# Altium PCB mainboard.PcbDoc (part 2 of 2) (continued)
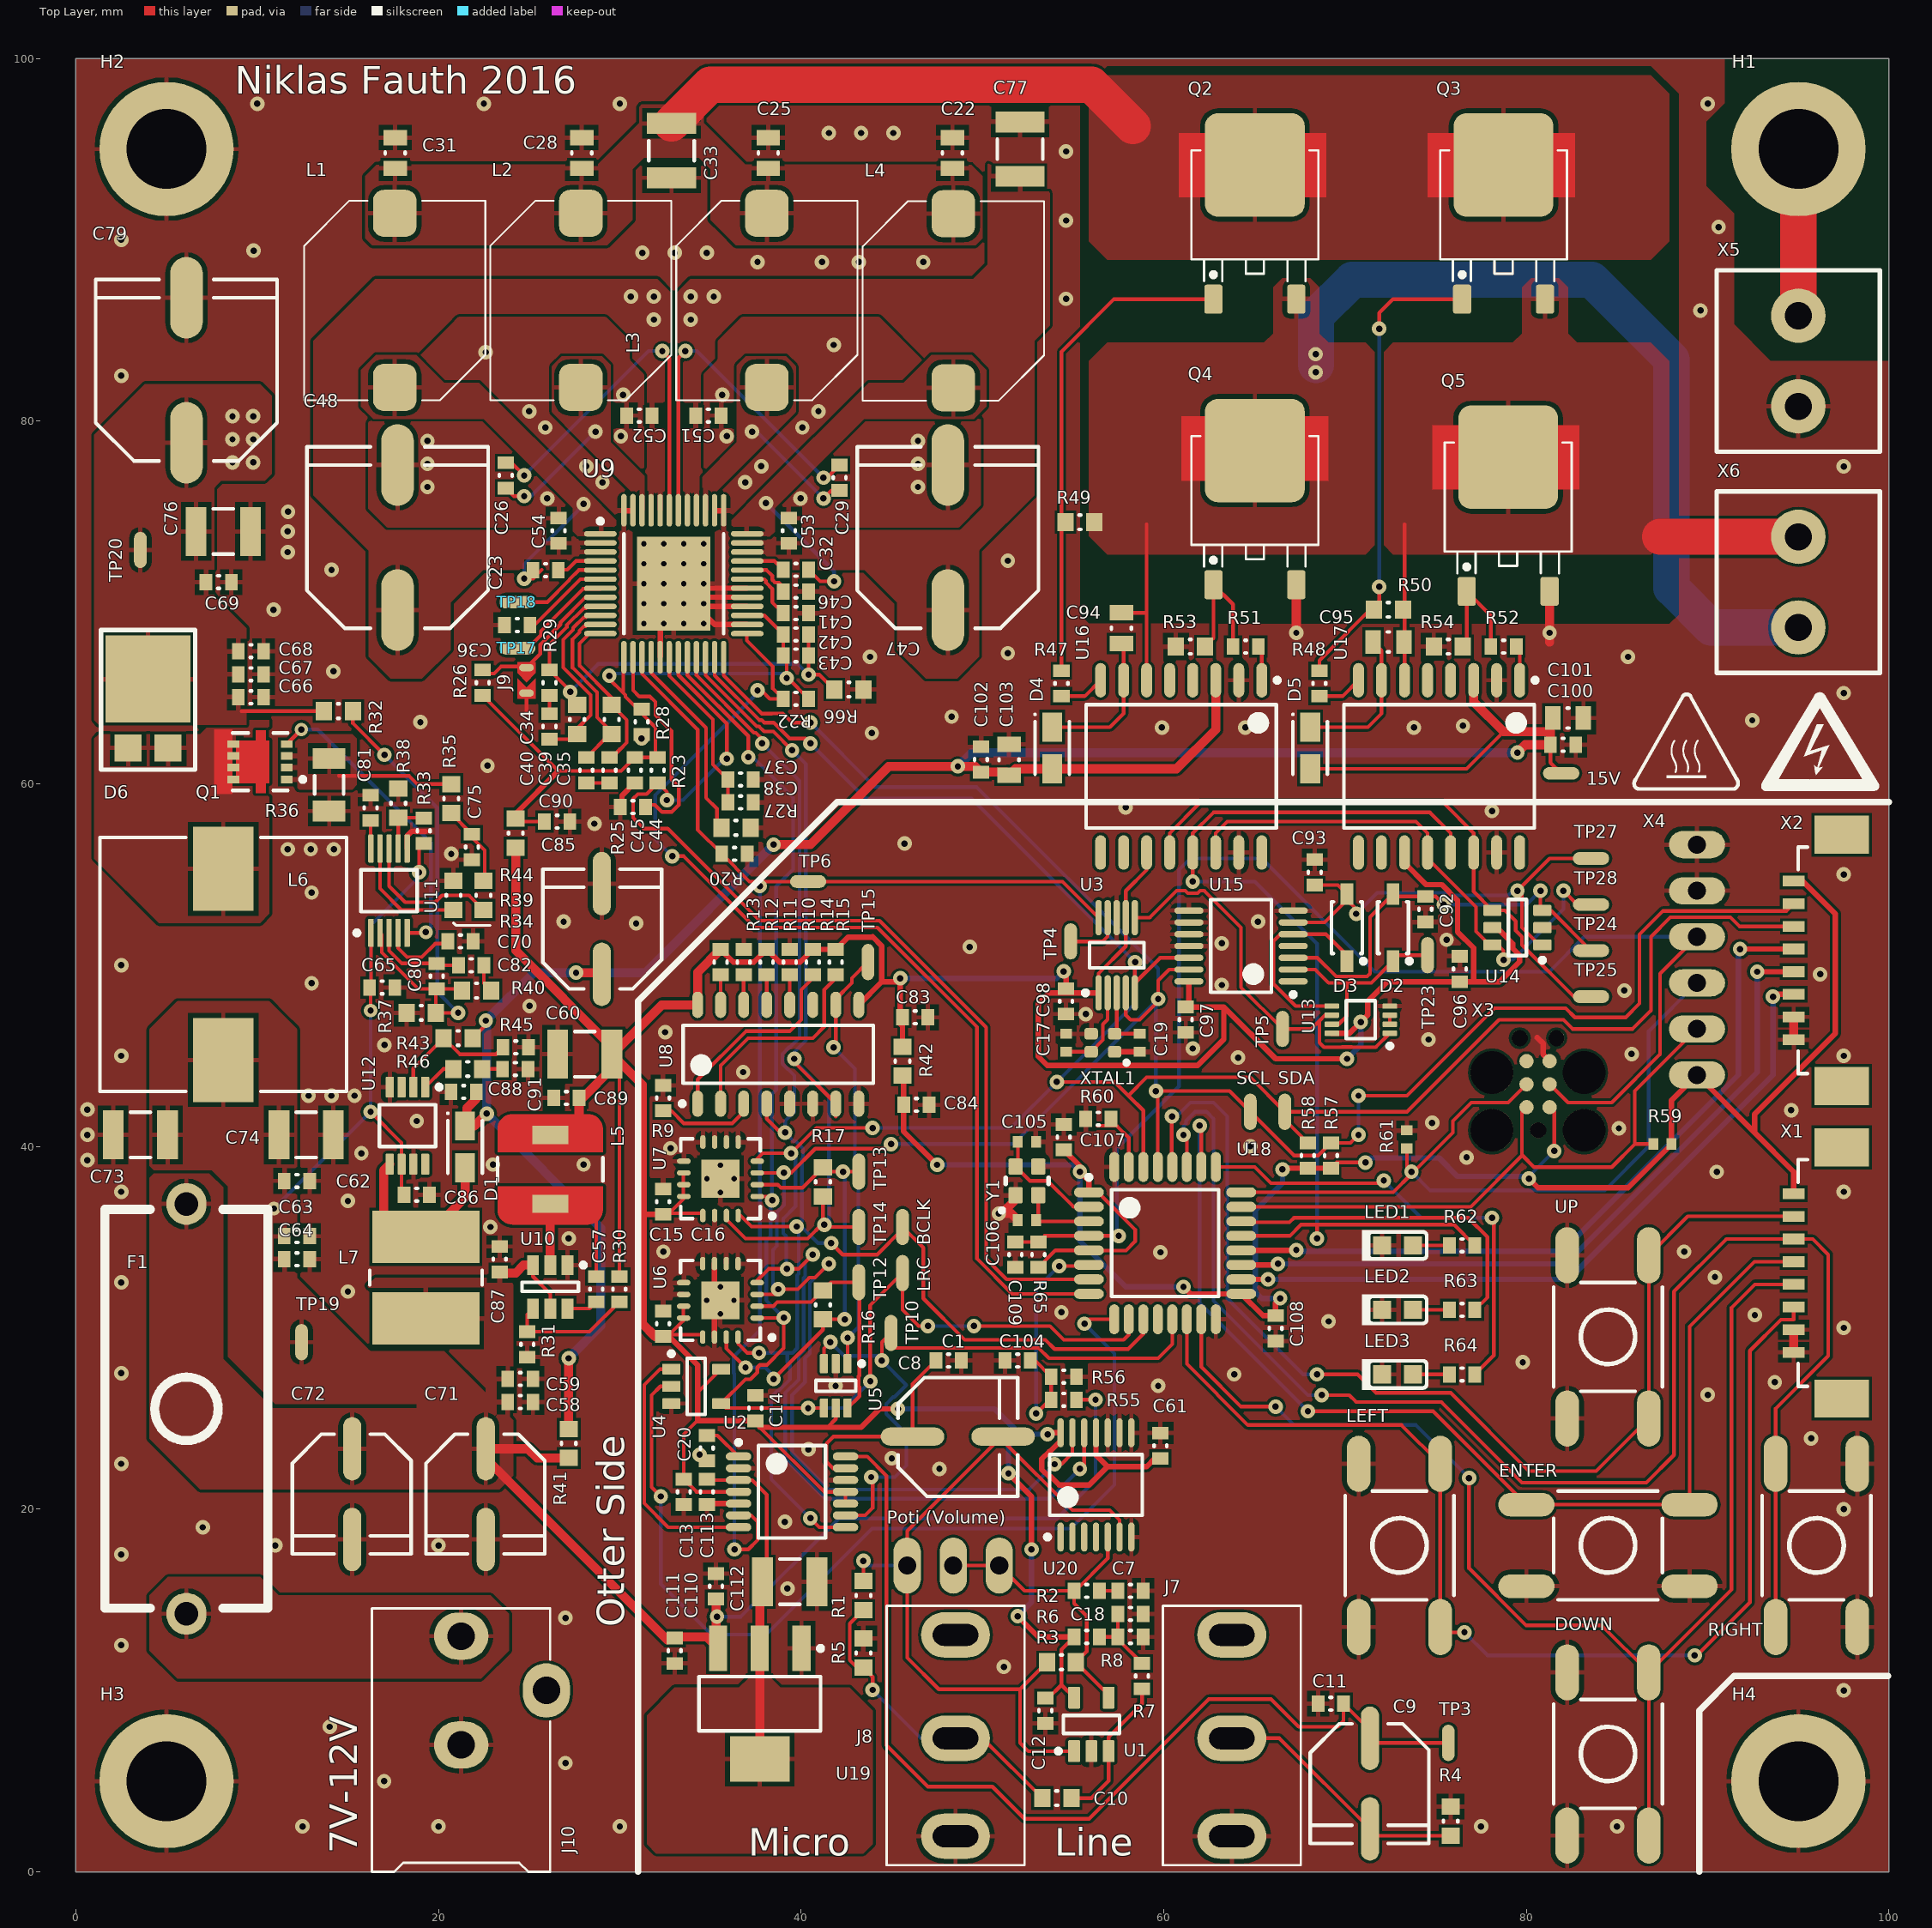
[diagram p0: Top Layer view]
## Nets (pads, with @x,y where several pads share a name; then routed paths per layer and width w, separated by ;. In a path a pad name is that pad's centre, name@x,y a point inside that pad or via, vN(x,y) a via of type N, cw(c..) or ccw(c..) an arc to the next point about the centre after c; other vN are vias at no path point) (continued)
NetR17_2: R17.2 TP14.1 U7.15 U8.7 U9.22 | length 49.5
  Top Layer w0.2: U9.22@34.728,67.011 34.728,65.979 37.541,63.166 37.672,63.166 37.958,62.88 38.466,62.88 v1(39.497,61.849) ; U7.15@35.875,36.318 35.875,35.981 36.932,34.925 40.361,34.925 v1@41.199,35.763 ; v1(39.624,44.831) 39.624,44.646 U8.7@41.91,42.36 U8.7@41.91,41.656 ; R17.2@41.199,37.249 v1@41.199,35.763 ; TP14.1@43.18,35.56 41.402,35.56 v1(41.275,35.687) v1@41.199,35.763
  Bottom Layer w0.2: v1(39.497,61.849) 40.259,61.087 40.259,45.847 39.37,44.958 39.497,44.831 v1(39.624,44.831) 39.624,44.704 41.529,42.799 41.529,35.941 v1(41.275,35.687)
NetR22_1: R22.1 U9.25 U18.8 | length 58.4
  Top Layer w0.2: v1(32.893,56.007) 33.528,56.007 37.465,52.07 44.209,52.07 49.7,46.579 49.7,33.803 51.632,31.871 U18.8@55.871,31.871 ; U9.25@37.003,68.286 37.003,67.9 38.439,66.464 38.439,65.256 R22.1@39.009,64.686 38.27,64.686 37.805,65.151 v1(37.592,65.151)
  Bottom Layer w0.2: v1(32.893,56.007) 31.947,56.953 31.947,59.367 37.604,65.024 37.592,65.036 v1(37.592,65.151)
NetR23_1: R23.1 U9.19 U18.7 | length 58.1
  Top Layer w0.2: v1(32.597,59.098) 32.597,59.541 R23.1@32.089,60.049 31.476,59.436 30.988,59.436 30.734,59.182 30.734,58.115 31.318,57.531 32.639,57.531 37.719,52.451 44.323,52.451 50.2,46.574 50.2,33.798 51.327,32.671 U18.7@55.871,32.671 ; U9.19@33.228,67.011 33.228,65.994 35.899,63.323 v1(35.899,61.384)
  Bottom Layer w0.2: v1(32.597,59.098) 33.486,59.098 35.772,61.384 v1(35.899,61.384)
NetR25_1: R25.1 U9.14 | length 11.6
  Top Layer w0.2: U9.14@30.728,67.011 30.728,65.158 31.073,64.813 31.66,64.813 31.962,64.511 31.962,63.797 32.851,62.908 32.851,60.241 33.249,59.843 33.249,58.828 32.867,58.446 32.327,58.446 31.945,58.828 31.945,58.844 R25.1@31.519,58.844
NetR27_2: R27.2 U9.16 | length 11.2
  Top Layer w0.2: U9.16@31.728,67.011 31.728,66.113 34.756,63.085 34.756,59.225 35.359,58.622 35.359,57.574 R27.2@35.607,57.574
NetR30_1: R30.1 R31.2 U10.4 | length 7.2
  Top Layer w0.2: U10.4@25.212,31.058 24.892,30.738 R31.2@24.892,29.783 28.324,29.783 R30.1@29.972,31.431
NetR33_1: R33.1 R38.2 U11.7 | length 3.1
  Top Layer w0.2: U11.7@17.772,56.427 17.78,56.435 R38.2@17.78,58.128 19.153,58.128 R33.1@19.177,58.104
NetR34_1: R34.1 U11.8 | length 8.1
  Top Layer w0.2: U11.8@17.272,56.427 17.272,54.356 18.161,53.467 19.812,53.467 20.193,53.848 21.679,53.848 R34.1@22.479,53.048
NetR39_2: R39.2 U11.9 | length 6.7
  Top Layer w0.2: U11.9@16.772,56.427 16.772,54.221 17.945,53.048 R39.2@20.828,53.048
NetR43_1: R43.1 R45.1 U12.2 | length 7.4
  Top Layer w0.2: U12.2@18.613,43.273 18.613,44.305 R43.1@20.282,45.974 21.171,45.085 23.176,45.085 R45.1@23.557,45.466 R45.1@23.43,45.593
NetR46_2: R46.2 U12.1 | length 2
  Top Layer w0.2: U12.1@19.263,43.273 20.262,44.272 R46.2@20.815,44.272
NetR47_1: R47.1 U16.8 | length 2.5
  Top Layer w0.2: R47.1@54.356,64.832 55.637,64.832 U16.8@56.515,65.71
NetR48_1: R48.1 U17.8 | length 2.5
  Top Layer w0.2: R48.1@68.58,64.832 69.861,64.832 U17.8@70.739,65.71
NetR51_1: R51.1 U16.1 | length 1.9
  Top Layer w0.2: R51.1@65.216,67.564 65.405,67.375 U16.1@65.405,65.71
NetR52_1: R52.1 U17.1 | length 1.9
  Top Layer w0.2: R52.1@79.44,67.564 79.629,67.375 U17.1@79.629,65.71
NetR60_2: R60.2 U18.31 | length 3.6
  Top Layer w0.2: 56.326,41.148 57.404,41.148 58.071,40.481 U18.31@58.071,38.871
NetR63_2: R63.2 U18.22 | length 18.5
  Top Layer w0.2: U18.22@64.271,35.871 64.328,35.814 66.929,35.814 67.183,36.068 76.784,36.068 77.851,35.001 77.851,31.685 R63.2@77.154,30.988
NetR64_2: R64.2 U18.25 | length 25.6
  Top Layer w0.2: U18.25@62.871,38.871 65.015,38.871 65.913,37.973 72.009,37.973 72.136,38.1 v1(72.136,38.121) ; R64.2@77.154,27.432 78.201,28.479 78.201,35.972 v1(78.105,36.068)
  Bottom Layer w0.2: v1(72.136,38.121) 74.189,36.068 v1(78.105,36.068)
NetSW1_3: U18.28 UP.3 UP.4 X1.2 | length 62.8
  Top Layer w0.2: v1(60.452,41.656) 60.437,41.641 60.437,38.905 U18.28@60.471,38.871 ; v1(68.453,27.432) 70.694,27.432 71.71,26.416 75.819,26.416 80.137,22.098 83.848,22.098 UP.3@86.75,25 UP.4@86.75,34 88.895,36.145 X1.2@94.742,36.145
  Bottom Layer w0.2: v1(60.452,41.656) 60.706,41.656 61.468,42.418 62.738,42.418 63.5,41.656 63.5,31.623 67.691,27.432 v1(68.453,27.432)
NetSW2_3: LEFT.3 LEFT.4 U18.14 X1.6 | length 64.4
  Top Layer w0.2: U18.14@61.271,30.471 61.271,28.01 64.643,24.638 73.112,24.638 LEFT.4@75.25,22.5 LEFT.3@75.25,13.5 75.542,13.208 v1(76.581,13.208) ; v1(89.281,11.938) 89.408,11.938 92.329,14.859 92.329,28.736 94.038,30.445 94.742,30.445 X1.6@94.742,31.145
  Bottom Layer w0.2: v1(76.581,13.208) 77.851,11.938 v1(89.281,11.938)
NetSW3_1: RIGHT.1 RIGHT.2 U18.27 X1.3 | length 85.6
  Top Layer w0.2: v1(61.087,40.64) 61.271,40.456 U18.27@61.271,38.871 ; v1(68.707,26.289) 70.231,26.289 70.612,25.908 75.311,25.908 79.756,21.463 86.614,21.463 88.138,22.987 88.138,32.004 91.029,34.895 X1.3@94.742,34.895 95.788,34.895 96.647,34.036 96.647,28.448 93.75,25.551 RIGHT.2@93.75,22.5 RIGHT.1@93.75,13.5
  Bottom Layer w0.2: v1(61.087,40.64) 61.087,41.118 61.229,41.26 61.229,41.417 61.722,41.91 62.357,41.91 62.738,41.529 62.738,31.496 67.945,26.289 v1(68.707,26.289)
NetSW4_3: ENTER.3 ENTER.4 U18.26 X1.4 | length 60.8
  Top Layer w0.2: v1(61.976,41.148) 62.071,41.053 U18.26@62.071,38.871 ; v1(67.945,25.4) 74.85,25.4 ENTER.4@80,20.25 ENTER.3@89,20.25 89,30.072 92.573,33.645 X1.4@94.742,33.645
  Bottom Layer w0.2: v1(61.976,41.148) 61.976,31.369 v1(67.945,25.4)
NetSW5_3: DOWN.3 DOWN.4 U18.15 X1.5 | length 72.2
  Top Layer w0.2: U18.15@62.071,30.471 62.071,27.845 64.262,25.654 v1(66.167,25.654) ; v1(76.835,21.717) 76.835,16.742 79.988,13.589 84.161,13.589 DOWN.4@86.75,11 ; DOWN.3@86.75,2 DOWN.4@86.75,11 ; X1.5@94.742,32.395 92.593,32.395 91.313,31.115 91.313,15.563 DOWN.4@86.75,11
  Bottom Layer w0.2: v1(66.167,25.654) 67.183,24.638 73.914,24.638 v1(76.835,21.717)
NetTP4_1: TP4.1 U3.9 | length 3.2
  Top Layer w0.2: TP4.1@54.864,51.308 56.642,51.308 56.904,51.57 U3.9@56.904,52.621
NetTP5_1: TP5.1 U3.6 U13.1 U13.6 | length 22.5
  Top Layer w0.2: U3.6@58.404,52.621 59.225,52.621 60.706,54.102 61.184,54.102 61.326,53.96 61.864,53.96 62.006,54.102 62.23,54.102 64.262,52.07 64.262,48.768 TP5.1@66.548,46.482 68.133,46.482 68.58,46.929 ; U13.6@69.266,47.24 68.891,47.24 68.58,46.929 ; U13.1@72.466,46.24 71.692,45.466 70.388,45.466 70.373,45.481 69.835,45.481 69.82,45.466 68.834,45.466 68.58,45.72 68.58,46.929
NetTP10_1: TP10.1 U2.9 U5.3 U18.13 | length 37.5
  Top Layer w0.2: U5.3@41.26,28.022 41.26,28.86 v1(41.61,29.21) ; U2.9@42.447,19.655 43.531,19.655 43.942,20.066 43.942,21.687 v1(43.863,21.765) ; v1(44.45,28.194) 44.45,29.21 TP10.1@44.958,29.718 44.958,29.334 44.834,29.21 45.15,28.894 53.097,28.894 53.67,28.321 59.69,28.321 60.471,29.102 U18.13@60.471,30.471
  Bottom Layer w0.2: v1(41.61,29.21) 42.372,28.448 44.196,28.448 v1(44.45,28.194) 45.8,26.844 45.133,26.177 45.07,26.177 44.689,25.796 44.689,25.258 45.8,24.147 45.8,22.4 45.165,21.765 v1(43.863,21.765)
NetTP15_1: TP15.1 U5.1 U8.10 | length 23.7
  Top Layer w0.2: v1(41.785,45.468) 41.91,45.593 U8.10@41.91,47.81 41.91,48.133 42.799,49.022 42.799,49.276 TP15.1@43.688,50.165 ; U5.1@42.56,28.022 v1(42.56,29.449)
  Bottom Layer w0.2: v1(41.785,45.468) 42.96,44.293 42.96,38.453 43.149,38.264 43.149,30.038 v1(42.56,29.449)
NetTP17_1: TP17.1 U9.7 | length 6.1
  Top Layer w0.2: TP17.1@24.342,67.48 24.926,67.48 25.642,68.196 25.642,68.416 27.971,70.745 28.91,70.745 U9.7@28.952,70.787
NetTP18_1: TP18.1 U9.5 | length 5.4
  Top Layer w0.2: TP18.1@24.342,70.02 26.001,70.02 27.208,71.227 27.208,71.252 27.742,71.786 U9.5@28.953,71.786
NetTP22_1: U12.3
NetU2_7: U2.7 U4.1 | length 14.1
  Top Layer w0.2: U4.1@32.839,27.722 32.217,27.722 31.344,26.848 31.344,20.32 32.659,19.005 U2.7@36.547,19.005
NetU4_2: U4.2 U18.9 | length 52.8
  Top Layer w0.2: v1(32.258,20.701) 31.75,21.209 31.75,26.289 32.233,26.772 U4.2@32.839,26.772 ; v1(55.626,30.226) 55.871,30.471 U18.9@57.271,30.471
  Bottom Layer w0.2: v1(32.258,20.701) 32.258,15.875 35.052,13.081 38.07,13.081 43.912,18.923 54.864,18.923 57.277,21.336 57.277,28.575 v1(55.626,30.226)
NetU13_2: U13.2 U13.3 | length 0.5
  Top Layer w0.2: U13.2@72.466,46.74 U13.3@72.466,47.24
NetU18_18: U18.18 X2.6 | length 39.5
  Top Layer w0.3: U18.18@64.271,32.671 v1(65.754,32.671) ; v1(93.599,48.26) 93.726,48.387 X2.6@94.742,48.387
  Bottom Layer w0.3: v1(65.754,32.671) 82.328,32.671 93.599,43.942 v1(93.599,48.26)
NetU18_19: U18.19 X2.5 | length 40.4
  Top Layer w0.3: U18.19@64.271,33.471 66.237,33.471 v1(66.294,33.528) ; v1(92.73,49.637) X2.5@94.742,49.637
  Bottom Layer w0.3: v1(66.294,33.528) 82.169,33.528 92.73,44.089 v1(92.73,49.637)
NetU18_20: U18.20 X2.4 | length 41.4
  Top Layer w0.3: U18.20@64.271,34.271 67.291,34.271 v1(67.31,34.29) ; v1(91.781,50.887) X2.4@94.742,50.887
  Bottom Layer w0.3: v1(67.31,34.29) 67.375,34.225 81.976,34.225 91.694,43.943 91.694,50.8 v1(91.781,50.887)
NGATE: TP25.1 U14.4 U16.12 U17.14 | length 31.9
  Top Layer w0.2: U16.12@60.325,56.21 60.325,57.277 61.976,58.928 75.438,58.928 77.089,57.277 U17.14@77.089,56.21 77.089,54.058 U14.4@78.127,53.02 78.806,53.02 79.406,52.42 79.406,51.912 79.756,51.562 79.756,51.117 82.613,48.26 TP25.1@83.566,48.26
NRST: C109.2 R65.1 U18.4 X3.3 X4.4 | length 74.8
  Top Layer w0.2: C109.2@51.816,34.736 R65.1@53.086,34.736 53.421,35.071 U18.4@55.871,35.071 v1(57.512,35.071) ; X3.3@81.28,43.434 82.296,42.418 84.709,42.418 87.376,45.085 87.376,49.53 X4.4@89.408,51.562
  Bottom Layer w0.2: v1@57.512,34.944 v1(57.512,35.071) 57.404,35.179 57.404,39.878 60.833,43.307 60.833,55.245 61.468,55.88 65.405,55.88 71.643,49.642 81.265,49.642 83.185,51.562 X4.4@89.408,51.562
PAVDD: C42.2 C43.2 C44.2 C45.2 C90.2 R22.2 R23.2 R26.1 R44.2 U9.13 U9.27 | length 41.5
  Top Layer w0.2: R26.1@22.437,64.875 26.606,60.706 30.076,60.706 C44.2@30.819,61.449 R23.2@31.835,61.449 ; R44.2@24.257,58.077 24.422,57.912 C90.2@25.843,57.912 ; v1(29.422,65.956) 29.422,65.777 30.184,65.015 ; U9.13@30.228,67.011 30.184,66.967 30.184,65.015 ; R23.2@32.089,61.449 R23.2@31.835,61.449 ; U9.27@37.003,69.286 37.965,69.286 C42.2@39.009,68.242 C43.2@39.009,67.074 39.201,66.882 v1(39.201,65.829) 39.266,65.829 R22.2@40.409,64.686 ; 30.184,65.015 30.301,64.898 30.301,64.801 30.986,64.116 C45.2@31.2,64.116 31.2,63.873 31.962,63.111 31.962,61.576 R23.2@31.835,61.449
  Top Layer w0.3: R44.2@24.257,58.077 24.257,58.357 26.606,60.706
  Bottom Layer w0.2: v1(29.422,65.956) 29.295,66.083 38.947,66.083 v1(39.201,65.829)
PVDD: C47.2 C48.2 C51.2 C52.2 C53.2 C54.2 C66.2 C67.2 C68.2 C69.2 C76.2 C77.2 C79.2 D6.2 R32.2 TP20.1 U9.2 U9.3 U9.34 U9.35 U9.40 U9.41 U9.44 U9.45 | length 4.5
  Top Layer w0.2: 9.137,64.008 R32.2@13.678,64.008
  other v1: 8.636,77.724 9.779,77.724 8.636,78.994 9.779,78.994 8.636,80.264 9.779,80.264 31.877,85.598 33.909,85.598 30.607,86.868 31.877,86.868 33.909,86.868 35.179,86.868
SCL: R57.1 SCL.1 U3.4 U6.3 U7.3 U9.24 U15.13 U18.29 U20.13 X2.2 | length 162.9
  Top Layer w0.2: U9.24@35.728,67.011 35.728,65.969 37.831,63.866 38.369,63.866 38.384,63.881 38.989,63.881 39.497,63.373 v1(40.513,63.373) ; U6.3@37.45,31.843 38.775,31.843 38.735,31.883 v1(38.735,32.131) 39.812,32.131 40.449,32.767 40.768,32.767 v1(41.529,33.528) ; U7.3@37.45,38.543 v1@38.824,38.543 ; v1(39.04,38.557) 39.457,38.557 40.778,39.878 44.704,39.878 v1(44.958,40.132) ; v1(53.975,22.479) 54.356,22.479 54.961,23.084 U20.13@54.961,24.211 ; U3.4@57.904,48.471 57.904,47.252 58.166,46.99 58.674,46.99 59.671,47.987 59.671,48.114 v1(59.69,48.133) 59.69,49.149 60.295,49.754 U15.13@61.387,49.754 ; U18.29@59.671,38.871 59.671,42.945 v1(59.563,43.053) 63.627,43.053 SCL.1@64.77,41.91 67.183,39.497 68.515,39.497 R57.1@69.215,40.197 70.296,40.197 v1(70.739,40.64) ; v1(70.739,42.799) 73.406,42.799 78.232,47.625 82.169,47.625 82.677,47.117 85.471,47.117 86.233,47.879 86.233,51.689 87.531,52.987 94.342,52.987 X2.2@94.742,53.387
  Bottom Layer w0.2: v1(38.735,32.131) 38.557,32.131 38.441,32.248 38.441,34.289 38.664,34.513 38.664,36.374 39.055,36.764 39.055,38.542 v1(39.04,38.557) ; v1(40.513,63.373) 44.069,59.817 49.687,59.817 59.69,49.814 v1(59.69,48.133) v1@59.563,48.006 ; v1(41.529,33.528) 40.482,32.481 40.482,28.584 40.21,28.312 40.21,26.998 39.497,26.285 39.497,23.103 41.518,21.082 52.578,21.082 v1(53.975,22.479) ; v1(44.958,40.132) 51.689,40.132 v1@59.563,48.006 ; v1(59.563,43.053) v1@59.563,48.006 ; v1(70.739,40.64) v1(70.739,42.799)
SD: R62.2 U16.13 U17.13 U18.21 | length 57.8
  Top Layer w0.2: v1(61.595,54.61) U16.13@61.595,56.21 61.595,57.277 62.738,58.42 74.676,58.42 75.819,57.277 U17.13@75.819,56.21 ; U18.21@64.271,35.071 66.948,35.071 67.564,35.687 68.453,35.687 ; v1(68.453,34.925) 68.453,35.687 ; R62.2@77.154,34.544 76.011,35.687 68.453,35.687
  Bottom Layer w0.2: v1(61.595,54.61) 65.024,54.61 68.453,51.181 v1(68.453,34.925)
SDA: R58.1 SDA.1 U3.5 U6.4 U7.4 U9.23 U15.12 U18.30 U20.12 X2.3 | length 162.3
  Top Layer w0.2: U9.23@35.228,67.011 35.228,65.974 37.686,63.516 37.817,63.516 37.96,63.373 38.481,63.373 39.355,62.499 40.244,62.499 v1(40.513,62.23) ; U6.4@37.45,32.493 38.206,33.249 v1(39.218,33.249) 39.853,33.249 v1(40.64,34.036) ; U7.4@37.45,39.193 37.882,39.624 v1(39.446,39.624) 40.843,41.021 v1(43.942,41.021) ; v1(54.102,43.561) 57.277,43.561 57.283,43.567 58.045,42.805 ; v1(55.372,22.225) 55.611,22.464 U20.12@55.611,24.211 ; U3.5@58.404,48.471 U3.5@58.404,49.006 ; v1(58.42,50.165) 58.404,50.149 U3.5@58.404,49.006 ; U18.30@58.871,38.871 58.871,41.98 58.045,42.805 ; U15.12@61.387,50.404 59.802,50.404 U3.5@58.404,49.006 ; R58.1@67.945,40.197 66.675,41.467 SDA.1@66.675,41.91 ; X2.3@94.742,52.137 91.754,52.137 91.254,52.637 87.943,52.637 86.868,51.562 86.868,47.498 85.852,46.482 82.55,46.482 82.042,46.99 78.486,46.99 73.406,41.91 SDA.1@66.675,41.91 ; 58.045,42.805 59.055,43.815 64.77,43.815 SDA.1@66.675,41.91
  Bottom Layer w0.2: v1(39.446,39.624) 39.69,39.38 39.69,36.693 39.014,36.017 39.014,35.209 39.175,35.048 39.175,33.291 v1(39.218,33.249) ; v1(40.513,62.23) 43.561,59.182 49.403,59.182 v1(58.42,50.165) 58.42,47.879 v1(54.102,43.561) 51.562,41.021 v1(43.942,41.021) ; v1(40.64,34.036) 40.218,33.614 40.218,32.834 40.132,32.749 40.132,28.729 39.86,28.457 39.86,27.143 39.116,26.399 39.116,22.784 41.326,20.574 53.721,20.574 v1(55.372,22.225) ; v1(39.218,33.249) 39.218,32.944 39.37,33.096 v1(39.218,33.249)
SWCLK: R61.2 U18.24 X3.4 X4.3 | length 44.7
  Top Layer w0.2: U18.24@64.271,37.471 72.65,37.471 73.66,38.481 v1(73.66,38.608) ; R61.2@73.406,39.886 73.406,38.862 v1(73.66,38.608) ; X3.4@80.01,43.434 78.994,42.418 76.962,42.418 75.946,41.402 75.946,40.767 73.787,38.608 v1(73.66,38.608)
  Bottom Layer w0.2: v1(73.66,38.608) 74.691,37.577 84.313,37.577 86.741,40.005 86.741,46.355 X4.3@89.408,49.022
SWDIO: R59.1 U18.23 X3.2 X4.2 | length 35.2
  Top Layer w0.2: U18.23@64.271,36.671 76.93,36.671 79.756,39.497 ; X3.2@80.01,42.164 79.756,41.91 79.756,39.497 ; R59.1@87.003,40.132 85.979,40.132 ; X4.2@89.408,46.482 85.979,43.053 85.979,40.132 ; 79.756,39.497 79.786,39.497 80.421,38.862 84.709,38.862 85.979,40.132
VBAT: C58.2 C59.2 C62.2 C63.2 C64.2 C65.2 C71.2 C72.2 C73.2 C74.2 C86.2 C87.2 C110.2 C111.2 F1.2 L6.1 L7.1 R33.2 R41.1 R55.2 TP19.1 U10.3 U10.5 U11.1 U12.6 U19.3 | length 92.6
  Top Layer w0.2: v1(16.256,41.91) 17.963,40.203 U12.6@17.963,39.023 17.963,37.471 C86.2@18.096,37.338 ; v4(16.256,47.498) 16.256,48.452 16.002,48.706 16.272,48.976 U11.1@16.272,51.777 ; v1@18.923,54.991 v1(18.923,55.118) 18.923,56.45 R33.2@19.177,56.704 ; U10.3@25.212,33.458 25.212,32.827 26.162,31.877 U10.5@26.162,31.058 ; v1@35.281,14.148 35.306,14.122 v1(35.357,14.072) ; R55.2@55.234,26.035 v1(56.236,26.035)
  Top Layer w0.5: C87.2@23.368,33.082 23.43,33.02 24.257,33.02 24.695,33.458 U10.3@25.212,33.458 ; R41.1@27.178,22.822 25.438,22.822 24.932,23.328 C71.2@22.606,23.328 22.606,22.798 C111.2@32.608,12.796 ; C111.2@33.02,12.892 33.082,12.954 34.786,12.954 U19.3@35.306,12.434 ; C110.2@35.306,15.048 35.306,14.122 U19.3@35.306,12.434 ; U19.3@35.419,12.321 U19.3@35.306,12.434
  Bottom Layer w0.2: v4(10.922,36.576) v1(16.256,41.91) v4(16.256,47.498) 16.256,52.197 18.923,54.864 v1(18.923,55.118) ; v1(35.357,14.072) 36.678,14.072 42.088,19.482 54.102,19.482 56.236,21.615 v1(56.236,26.035)
VCPU: C84.2 C107.2 C108.2 R42.2 R57.2 R58.2 R59.2 R65.2 U18.1 U18.5 U18.17 X1.1 X2.1 X3.1 X4.1 | length 111.2
  Top Layer w0.2: R65.2@53.086,33.336 54.021,34.271 U18.5@55.871,34.271 55.882,34.26 57.912,34.26 58.42,34.768 58.42,35.414 56.363,37.471 U18.1@55.871,37.471 ; R57.2@69.215,38.797 69.534,39.116 v1(71.12,39.116) ; X3.1@81.28,42.164 81.534,41.91 v1(81.534,39.751)
  Top Layer w0.3: R42.2@45.593,43.904 45.655,43.842 C84.2@45.655,42.291 45.655,40.832 v1(47.498,38.989) ; C107.2@54.483,39.813 55.372,38.924 v1(55.372,38.608) 55.871,38.109 U18.1@55.871,37.471 ; v1(61.087,32.258) 61.474,31.871 U18.17@64.271,31.871 65.47,30.672 C108.2@66.167,30.672 66.167,31.369 v1(66.421,31.623) ; v1(66.548,38.735) 66.61,38.797 R58.2@67.945,38.797 R57.2@69.215,38.797 ; v1(80.137,38.227) 80.645,37.719 85.614,37.719 88.003,40.108 R59.2@88.003,40.132 88.003,42.537 X4.1@89.408,43.942 92.583,40.767 ; X1.1@94.742,37.395 94.742,38.608 92.583,40.767 ; X2.1@94.742,54.637 95.223,54.637 97.028,52.832 97.028,46.228 92.583,41.783 92.583,40.767
  Bottom Layer w0.2: v1@79.883,38.354 80.137,38.354 v1(81.534,39.751)
  Bottom Layer w0.3: v1(47.498,38.989) 54.991,38.989 v1(55.372,38.608) 55.372,34.798 57.912,32.258 v1(61.087,32.258) ; v1(66.421,31.623) 65.405,31.623 65.054,31.974 65.054,36.479 66.548,37.973 v1(66.548,38.735) ; v1(71.12,39.116) 71.374,39.37 75.184,39.37 76.2,38.354 79.883,38.354 80.01,38.227 v1(80.137,38.227)
pads on no net: J7.3 J8.3 J10.3 Q1.6 Q1.7 Q1.8 Q2.0 Q3.0 Q4.0 Q5.0 U8.11 U12.8 U15.1 U15.4 U16.4 U16.5 U16.9 U16.10 U16.16 U17.4 U17.5 U17.9 U17.10 U17.16 U18.12 U20.1 U20.2 U20.3 U20.4 X1.0 X2.0 X3.6 X3.A X3.B X3.C X3.D X3.E X3.F X3.G

## Polygon pours and split planes (outlines as drawn)
5V on Top Layer "5V_L01_P086" (solid, pour order 86): 32.004,1.016 31.496,1.524 31.496,8.128 31.496,8.636 33.02,10.16 36.576,10.16 37.084,10.668 37.084,13.716 38.354,13.716 38.354,10.668 38.862,10.16 42.672,10.16 43.942,8.89 43.942,2.286 43.942,1.524 43.434,1.016
VBAT on Top Layer "VBAT_L01_P082" (solid, pour order 82): 24.13,24.892 24.13,30.734 24.13,32.766 23.114,32.766 16.51,32.766 15.748,32.004 15.748,29.972 15.748,29.464 16.256,28.956 20.32,28.956 22.606,26.67 22.606,25.908
NetF1_1 on Top Layer "NETF1_1_L01_P080" (solid, pour order 80): 6.604,16.256 5.08,16.256 4.064,15.24 4.064,12.192 5.588,10.668 20.32,10.668 22.352,10.668 23.876,12.192 23.876,14.224 22.86,15.24 11.176,15.24 10.16,16.256
NetC95_1 on Top Layer "NETC95_1_L01_P078" (solid, pour order 78): 72.136,83.82 72.644,84.328 79.248,84.328 79.756,84.836 79.756,87.376 80.264,87.884 81.788,87.884 82.296,87.376 82.296,84.836 82.804,84.328 86.868,84.328 87.884,83.312 87.884,73.66 86.868,72.644 72.644,72.644 72.136,73.152
NetC94_1 on Top Layer "NETC94_1_L01_P076" (solid, pour order 76): 66.04,87.376 66.548,87.884 68.072,87.884 68.58,87.376 68.58,84.836 69.088,84.328 71.12,84.328 71.628,83.82 71.628,73.152 71.12,72.644 58.928,72.644 56.896,72.644 55.88,73.66 55.88,83.312 56.896,84.328 65.532,84.328 66.04,84.836
BRIDGE on Top Layer "BRIDGE_L01_P074" (solid, pour order 74): 86.868,99.06 87.884,98.044 87.884,89.916 86.868,88.9 56.896,88.9 55.88,89.916 55.88,98.044 56.896,99.06
GND on Top Layer "GND_L01_P072" (solid, pour order 72): 31.327,74.262 31.327,82.593 30.616,83.304 30.54,83.38 30.54,84.219 30.54,84.422 29.93,85.031 29.219,85.743 25.891,85.743 21.1,85.743 16.129,80.772 16.129,75.184 17.653,73.66 30.616,73.576
PVDD on Top Layer "PVDD_L01_P070" (solid, pour order 70): 32.47,74.236 31.53,74.236 31.479,74.287 31.403,74.363 31.403,78.3 31.403,80.967 27.619,84.752 20.871,80.967 16.299,80.984 16.299,76.056 19.44,72.916 18.839,72.916 16.087,72.916 13.242,75.76 13.09,75.913 13.09,84.066 13.09,84.422 15.96,87.292 16.493,87.825 30.641,87.825 32.064,87.825 32.826,87.063 32.826,76.192 32.826,74.236 32.724,74.135
NetC26_2 on Top Layer "NETC26_2_L01_P064" (solid, pour order 64): 31.073,75.667 31.073,74.16 31.403,74.16 31.403,76.929 29.501,78.831 29.501,83.08 29.001,83.58 26.801,83.58 26.247,83.026 26.247,80.493 27.655,79.085
PVDD on Top Layer "PVDD_L01_P056" (solid, pour order 56): 6.858,82.042 9.779,82.042 10.16,82.042 10.668,81.534 10.795,81.407 10.795,77.597 10.795,77.089 10.414,76.708 8.128,76.708 8.021,76.708 7.62,76.307 7.386,76.073 6.731,76.073
PVDD on Top Layer "PVDD_L01_P054" (solid, pour order 54): 50.292,93.472 50.292,88.646 50.165,88.519 49.149,87.503 52.324,84.328 52.772,84.328 52.866,84.422 53.721,85.277 53.721,94.107 53.721,94.234 53.467,94.488 50.8,94.488 50.546,94.488 50.292,94.234
NetD6_1 on Top Layer "Top Layer-No Net" (solid, pour order 14): 10.414,52.578 10.16,52.324 9.652,52.324 4.572,52.324 1.016,55.88 1.016,62.484 1.27,62.738 6.858,62.738 7.62,63.5 10.668,63.5 10.668,52.832
PVDD on Top Layer "PVDD_L01_P006" (solid, pour order 6): 1.27,63.246 1.016,63.5 1.016,65.532 1.016,79.248 3.81,82.042 7.112,82.042 7.62,81.534 7.62,72.644 7.62,70.358 9.398,68.58 9.398,63.246
NetQ1_1 on Top Layer "NETQ1_1_L01_P002" (solid, pour order 2): 10.668,62.738 14.732,62.738 15.24,62.738 15.494,62.484 15.494,60.706 15.494,59.944 15.24,59.69 10.668,59.69
VBAT on Top Layer "VBAT_L01_P020" (solid, pour order 20): 24.13,21.844 23.368,21.082 20.32,21.082 6.858,21.082 4.064,23.876 4.064,42.672 4.064,46.482 5.588,48.006 10.668,48.006 11.43,47.244 12.192,46.482 12.192,36.576 12.192,32.766 16.258,28.7 20.322,28.7 24.13,24.892
NetC29_2 on Top Layer "NETC29_2_L01_P024" (solid, pour order 24): 34.883,75.667 34.883,74.16 34.553,74.16 34.553,76.929 36.455,78.831 36.455,83.08 36.955,83.58 39.155,83.58 39.709,83.026 39.709,80.493 38.301,79.085
NetC32_2 on Top Layer "NETC32_2_L01_P028" (solid, pour order 28): 36.407,73.627 38.261,73.627 38.541,73.906 38.541,75.151 38.541,75.202 43.392,80.053 43.468,80.129 48.98,80.129 49.539,80.129 50.225,80.815 50.225,82.796 50.225,82.822 49.412,83.634 47.227,83.634 47.177,83.634 46.389,82.847 45.653,82.11 44.052,82.11 43.722,82.11 37.753,76.141 36.153,74.541 36.153,73.627
NetC23_2 on Top Layer "NETC23_2_L01_P030" (solid, pour order 30): 29.549,73.627 27.72,73.627 27.415,73.932 27.415,75.151 27.415,75.202 22.564,80.053 22.488,80.129 16.976,80.129 16.417,80.129 15.731,80.815 15.731,82.796 15.731,82.822 16.544,83.634 18.729,83.634 18.779,83.634 19.567,82.847 20.303,82.11 21.904,82.11 22.234,82.11 28.203,76.141 29.803,74.541 29.803,73.627
BRIDGE on Top Layer "BRIDGE_L01_P032" (solid, pour order 32): 16.468,89.705 16.341,89.705 15.96,90.086 15.96,92.88 15.96,93.515 16.595,94.15 21.04,94.15 28.787,94.15 30.438,95.801 31.073,96.436 31.073,97.325 31.2,97.452 34.121,97.452 34.502,97.452 34.629,97.325 34.629,96.436 35.645,95.42 36.915,94.15 39.455,94.15 49.361,94.15 49.996,93.515 49.996,90.086 49.615,89.705 36.534,89.705 36.407,89.705 35.645,90.467 35.01,91.102 35.01,93.769 35.01,93.896 34.375,94.531 31.327,94.531 30.692,93.896 30.692,91.356 30.692,91.102 29.295,89.705 28.787,89.705
PVDD on Top Layer "PVDD_L01_P034" (solid, pour order 34): 36.204,72.636 36.204,73.449 38.083,73.449 38.541,73.906 38.617,73.982 48.04,73.982 48.802,73.982 49.869,72.916 49.818,72.865 49.818,67.963 49.818,67.023 48.701,65.905 48.599,65.804 47.177,65.804 46.872,65.804 45.399,67.277 45.297,67.378 45.297,69.69 45.297,69.995 44.205,71.087 43.494,71.798 38.972,71.798 38.795,71.798 38.109,72.484 37.956,72.636 36.204,72.636
PVDD on Top Layer "PVDD_L01_P036" (solid, pour order 36): 29.752,72.636 29.752,73.449 27.873,73.449 27.415,73.906 27.339,73.982 17.916,73.982 17.154,73.982 16.087,72.916 16.138,72.865 16.138,67.963 16.138,67.023 17.255,65.905 17.357,65.804 18.779,65.804 19.084,65.804 20.557,67.277 20.659,67.378 20.659,69.69 20.659,69.995 21.751,71.087 22.462,71.798 26.984,71.798 27.161,71.798 27.847,72.484 28,72.636 29.752,72.636
GND on Top Layer "GND_L01_P044" (solid, pour order 44): 34.629,74.262 34.629,82.593 35.34,83.304 35.416,83.38 35.416,84.219 35.416,84.422 36.026,85.031 36.737,85.743 40.065,85.743 44.305,85.743 49.911,80.137 49.911,75.354 48.133,73.576 35.34,73.576
PVDD on Top Layer "PVDD_L01_P046" (solid, pour order 46): 33.486,74.236 34.426,74.236 34.477,74.287 34.553,74.363 34.553,78.3 34.553,80.967 38.337,84.752 45.085,80.967 49.657,80.984 49.657,76.056 46.516,72.916 47.117,72.916 49.869,72.916 52.714,75.76 52.866,75.913 52.866,84.066 52.866,84.422 49.996,87.292 49.463,87.825 35.315,87.825 33.892,87.825 33.13,87.063 33.13,76.192 33.13,74.236 33.232,74.135
GND on Top Layer "GND_L01_P088" (solid, remove dead copper, pour order 88): 0,0 100,0 100,100 0,100
GND on Bottom Layer "GND_L02_P090" (solid, remove dead copper, pour order 90): 0,0 100,0 100,100 0,100
PVDD on Bottom Layer "PVDD_L02_P058" (solid, pour order 58): 8.001,76.708 7.874,76.708 7.62,76.962 7.493,77.089 7.493,80.01 7.493,81.407 8.128,82.042 13.97,87.884 34.798,87.884 35.306,87.884 36.322,86.868 36.322,85.852 36.322,85.344 35.814,84.836 35.56,84.582 32.004,84.582 14.859,84.582 10.922,80.645 10.795,80.518 10.795,77.089 10.414,76.708

## Other copper
Top Layer:
  rectangle net BRIDGE: 60.833,92.329 68.961,95.885
  rectangle net BRIDGE: 74.549,92.329 82.677,95.885
  rectangle net NetC95_1: 74.802,76.217 82.93,79.773
  rectangle net NetC94_1: 60.96,76.708 69.088,80.264
  rectangle net NetD6_1: 7.62,59.436 8.636,62.992
  pour cut-out: 100,100 90.983,100 90.932,99.949 90.932,97.536 89.916,96.52 89.916,92.964 91.44,91.44 91.44,85.344 93.472,83.312 100.076,83.312
  pour cut-out: 55.372,98.044 56.896,99.568 86.868,99.568 88.392,98.044 88.392,69.342 87.884,68.834 55.88,68.834 55.372,69.342
  pour cut-out: 55.372,98.044 56.896,99.568 86.868,99.568 88.392,98.044 88.392,69.342 87.884,68.834 55.88,68.834 55.372,69.342
  pour cut-out: 3.898,38.107 4.301,38.51 7.359,38.51 8.121,37.748 8.121,28.274 10.839,25.556 18.793,25.556 18.793,25.802 17.893,25.802 10.993,25.802 8.393,28.402 8.393,37.802 7.493,38.702 4.293,38.702 3.902,39.093
  pour cut-out: 24.13,66.712 24.347,66.929 25.349,66.929 25.527,66.751 25.52,64.539 25.37,64.389 24.257,64.389 24.13,64.516
Bottom Layer:
  pour cut-out: 100,100 88.087,100 88.011,100.076 88.011,90.932 90.023,88.92 100,88.92

## Silkscreen, mask and mechanical layers (free items; w line width, h text height)
Top Overlay:
  drawing of 1589 lines, arcs and shapes, not listed
  text "Niklas Fauth 2016" at 8.763,98.044 h1.52
  text "Otter Side" at 30.25,13.5 h1.52 r90
  text "7V-12V" at 15.5,1 h1.52 r90
  text "Micro" at 37.084,0.889 h1.52
  text "Line" at 53.975,0.889 h1.52
Bottom Overlay:
  drawing of 5969 lines, arcs and shapes, not listed
Top Solder:
  rectangle: 58.42,73.66 60.96,82.804
  rectangle: 69.088,73.66 71.628,82.804
  rectangle: 72.136,73.66 74.676,82.804
  rectangle: 82.804,73.66 85.344,82.804
  rectangle: 82.804,89.408 85.344,98.552
  rectangle: 72.136,89.408 74.676,98.552
  rectangle: 69.088,89.408 71.628,98.552
  rectangle: 58.42,89.408 60.96,98.552
Mechanical 1:
  the board outline again, w0.254